# Altium PCB FOC_CONTROL_BOARD_v5.PcbDoc (part 1 of 2) (continued)
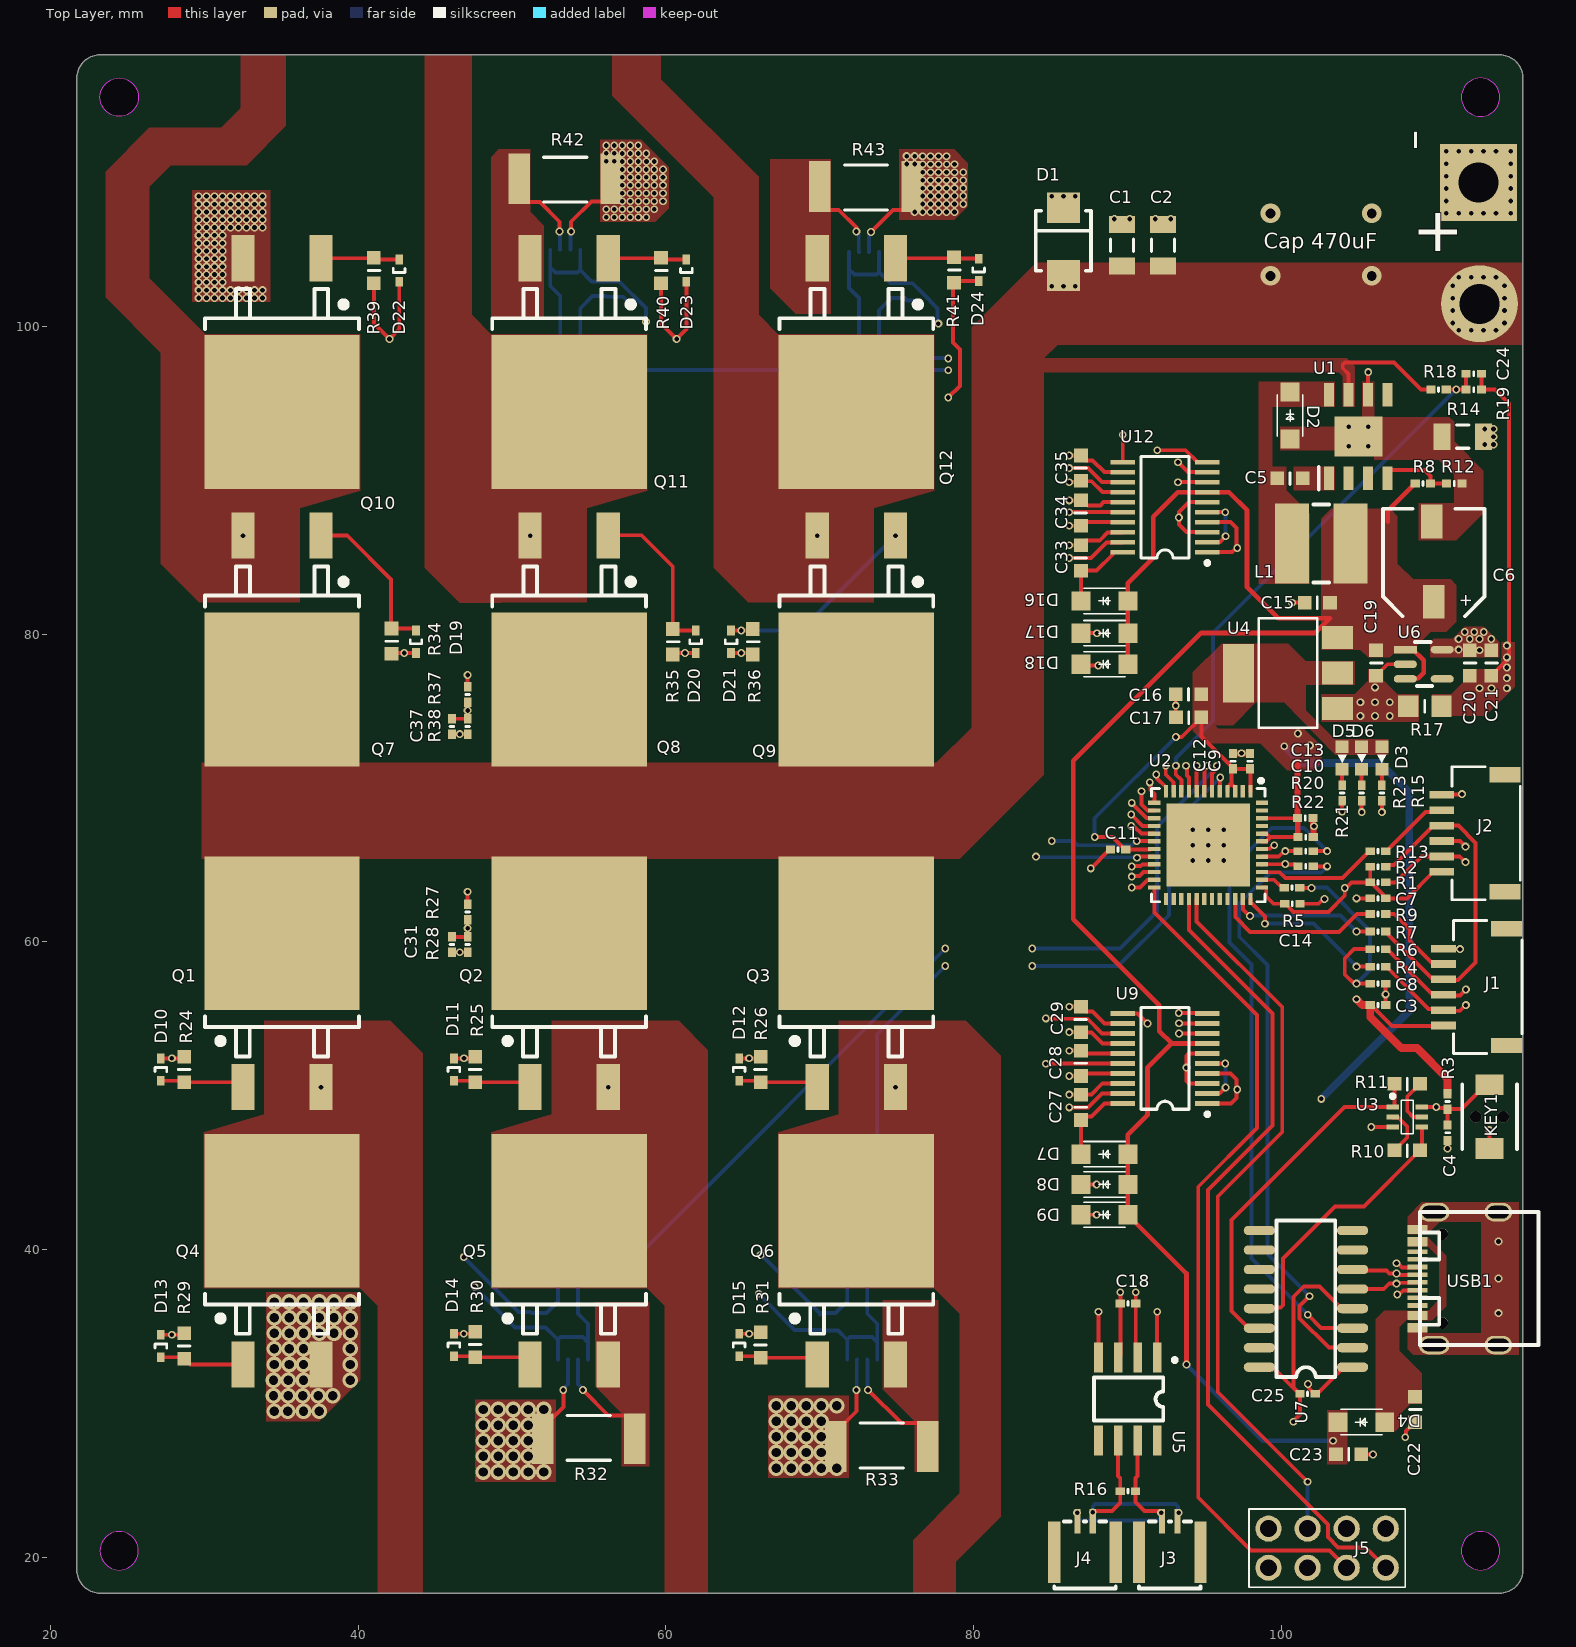
[diagram p0: Top Layer view]
## Components (designator, comment, footprint, x,y, rotation, side; value= is the part's Value field where it differs from the comment)
C1 "1uF" CAP_1206 89.662,105.283 r90 top
C2 "22uF" CAP_1206 92.329,105.283 r90 top
C3 "0.1uF" CAP_0402 106.299,55.88 r180 top
C4 "0.1uF" CAP_0402 110.825,47.583 r90 top
C5 "0.1uF" CAP_0603 100.584,90.125 r0 top
C6 "220uF" CAP-ALU-D8_6.3x6.6x7.7 109.874,84.709 r90 top
C7 "0.1uF" CAP_0402 106.299,62.818 r0 top
C8 "0.1uF" CAP_0402 106.299,57.277 r180 top
C9 "0.1uF" CAP_0402 97.979,71.739 r270 top
C10 "0.1uF" CAP_0402 101.6,66.802 r180 top
C11 "0.1uF" CAP_0402 89.408,65.99 r0 top
C12 "0.1uF" CAP_0402 96.88,71.739 r270 top
C13 "0.1uF" CAP_0402 101.572,68.044 r180 top
C14 "0.1uF" CAP_0402 100.735,62.468 r180 top
C15 "0.1uF" CAP_0603 102.356,82.042 r0 top
C16 "10uF" CAP_0603 93.98,76.092 r0 top
C17 "0.1uF" CAP_0603 93.997,74.586 r0 top
C18 "0.1uF" CAP_0402 90.051,36.487 r180 top
C19 "1uF" CAP_0603 106.174,78.122 r90 top
C20 "1uF" CAP_0603 112.27,78.122 r90 top
C21 "0.1uF" CAP_0603 113.667,78.122 r90 top
C22 "10uF" CAP_0603 108.712,29.593 r90 top
C23 "0.1uF" CAP_0603 104.394,26.67 r180 top
C24 "2.2uF" CAP_0402 112.528,96.925 r180 top
C25 "0.1uF" CAP_0402 101.727,30.607 r0 top
C26 "0.1uF" CAP_0402 70.036,35.27 r270 bottom
C27 "0.1uF" CAP_0603 86.995,49.235 r270 top
C28 "0.1uF" CAP_0603 86.995,52.092 r270 top
C29 "0.1uF" CAP_0603 86.995,54.95 r270 top
C30 "0.1uF" CAP_0402 51.181,35.433 r270 bottom
C31 "2.2uF" CAP_0402 46.101,59.817 r270 top
C32 "0.1uF" CAP_0402 75.565,102.362 r90 bottom
C33 "0.1uF" CAP_0603 86.995,84.947 r270 top
C34 "0.1uF" CAP_0603 86.995,87.868 r270 top
C35 "0.1uF" CAP_0603 86.995,90.789 r270 top
C36 "0.1uF" CAP_0402 56.134,102.432 r90 bottom
C37 "2.2uF" CAP_0402 46.101,73.995 r270 top
D1 "SMBJ24CA" SMB(DO-214) 85.852,105.518 r270 top
D2 "S34" SOD-123FL 100.584,94.214 r270 top
D3 "LED" LED_0603_B 106.553,71.951 r270 top value=0603-RED
D4 "1N5819FL" SOD-123FL 105.219,28.767 r0 top
D5 "LED" LED_0603_B 103.971,71.951 r270 top value=0603-RED
D6 "LED" LED_0603_G 105.241,71.951 r270 top value=0603-RED
D7 "FR107" SOD-123FL 88.519,46.187 r0 top
D8 "FR107" SOD-123FL 88.519,44.218 r0 top
D9 "FR107" SOD-123FL 88.519,42.25 r0 top
D10 "1N4148WT" SOD-523 27.178,51.689 r270 top
D11 "1N4148WT" SOD-523 46.228,51.689 r270 top
D12 "1N4148WT" SOD-523 64.77,51.689 r270 top
D13 "1N4148WT" SOD-523 27.178,33.718 r270 top
D14 "1N4148WT" SOD-523 46.228,33.782 r270 top
D15 "1N4148WT" SOD-523 64.77,33.782 r270 top
D16 "FR107" SOD-123FL 88.519,82.153 r0 top
D17 "FR107" SOD-123FL 88.519,80.058 r0 top
D18 "FR107" SOD-123FL 88.519,78.039 r0 top
D19 "1N4148WT" SOD-523 43.763,79.502 r90 top
D20 "1N4148WT" SOD-523 61.94,79.502 r90 top
D21 "1N4148WT" SOD-523 64.243,79.502 r90 top
D22 "1N4148WT" SOD-523 42.672,103.632 r90 top
D23 "1N4148WT" SOD-523 61.341,103.632 r90 top
D24 "1N4148WT" SOD-523 80.343,103.674 r90 top
J1 "插座 1*6P 卧贴" 1.0T-6P 114.64,53.25 r90 top
J2 "插座 1*6P 卧贴" 1.0T-6P 114.536,63.244 r90 top
J3 "插座 1*2P 卧贴" 1.0T-2P 92.759,20.282 r0 top
J4 "插座 1*2P 卧贴" 1.0T-2P 87.248,20.282 r0 top
J5 "Header2*4" Header2*4 102.997,20.574 r0 top
KEY1 "KEY_3*4" KEY_3*4 113.556,50.706 r270 top
L1 "22uH" SLF0504 102.616,85.89 r0 top
Q1 "CRSS038N08N" TO-263-3 35.052,50.546 r270 top
Q2 "CRSS038N08N" TO-263-3 53.721,50.546 r270 top
Q3 "CRSS038N08N" TO-263-3 72.39,50.546 r270 top
Q4 "CRSS038N08N" TO-263-3 35.052,32.512 r270 top
Q5 "CRSS038N08N" TO-263-3 53.721,32.512 r270 top
Q6 "CRSS038N08N" TO-263-3 72.39,32.512 r270 top
Q7 "CRSS038N08N" TO-263-3 35.052,86.398 r90 top
Q8 "CRSS038N08N" TO-263-3 53.721,86.398 r90 top
Q9 "CRSS038N08N" TO-263-3 72.39,86.398 r90 top
Q10 "CRSS038N08N" TO-263-3 35.052,104.432 r90 top
Q11 "CRSS038N08N" TO-263-3 53.721,104.432 r90 top
Q12 "CRSS038N08N" TO-263-3 72.39,104.432 r90 top
R1 "2.2k" RES-0402 106.299,63.857 r180 top
R2 "2.2k" RES-0402 106.299,64.873 r180 top
R3 "10k" RES-0402 110.825,49.615 r90 top
R4 "56R" RES-0402 106.299,58.374 r0 top
R5 "56R" RES-0402 100.711,63.515 r0 top
R6 "160R" RES-0402 106.299,59.517 r0 top
R7 "56R" RES-0402 106.299,60.66 r0 top
R8 "10k" RES-0402 109.22,89.789 r0 top
R9 "56R" RES-0402 106.299,61.803 r0 top
R10 "10k" RES-0603 108.202,46.444 r0 top
R11 "10k" RES-0603 108.202,50.762 r0 top
R12 "3.3k" RES-0402 111.26,89.789 r0 top
R13 "56R" RES-0402 106.299,65.889 r0 top
R14 "0R" RES-1206 111.81,92.829 r0 top
R15 "2.2k" RES-0402 106.553,69.665 r270 top
R16 "120R" RES-0402 90.043,24.279 r180 top
R17 "0R" RES-0805 109.347,75.311 r0 top
R18 "10k" RES-0402 110.242,95.897 r0 top
R19 "1k" RES-0402 112.528,95.897 r0 top
R20 "470R" RES-0402 101.6,65.889 r0 top
R21 "2.2k" RES-0402 103.971,69.665 r270 top
R22 "470R" RES-0402 101.6,64.897 r0 top
R23 "2.2k" RES-0402 105.241,69.665 r270 top
R24 "2.2R" RES-0603 28.702,51.689 r270 top
R25 "2.2R" RES-0603 47.625,51.689 r270 top
R26 "2.2R" RES-0603 66.167,51.689 r270 top
R27 "10k_thermal" 0402 47.117,61.93 r90 top value=10k
R28 "3.3k" RES-0402 47.117,59.817 r90 top value=1k
R29 "2.2R" RES-0603 28.702,33.718 r270 top
R30 "2.2R" RES-0603 47.625,33.814 r270 top
R31 "2.2R" RES-0603 66.167,33.782 r270 top
R32 "0.0005R" RES-2512 54.991,27.686 r0 top
R33 "0.0005R" RES-2512 74.041,27.178 r0 top
R34 "2.2R" RES-0603 42.173,79.536 r90 top
R35 "2.2R" RES-0603 60.457,79.502 r90 top
R36 "2.2R" RES-0603 65.659,79.502 r90 top
R37 "10k_thermal" 0402 47.117,76.073 r90 top value=10k
R38 "3.3k" RES-0402 47.117,73.995 r90 top value=1k
R39 "2.2R" RES-0603 41.021,103.632 r90 top
R40 "2.2R" RES-0603 59.69,103.632 r90 top
R41 "2.2R" RES-0603 78.74,103.674 r90 top
R42 "0.0005R" RES-2512 53.467,109.601 r180 top
R43 "0.0005R" RES-2512 73.025,109.093 r180 top
U1 "TPS5430DDAR" SO-8 105.029,92.837 r0 top
U2 "ESP32-PICO-D4" QFN-48_7x7x05P 95.266,66.278 r180 top
U3 "BC847BS,115" SOT363 108.204,48.607 r0 top
U4 "AMS1117-3.3" SOT-223 100.457,77.47 r90 top
U5 "SN65HVD232DR" SOIC-8_150mil 102.743,17.564 r180 top
U6 "ME6211C33M5G-N" SOT-23-5 109.277,78.039 r0 top
U7 "CH340C" SOP-16 104.648,32.34 r180 top
U8 "INA240A2" TSSOP-8 72.771,35.687 r180 bottom
U9 "EG2133" TSSOP20 92.456,52.41 r90 top
U10 "INA240A2" TSSOP-8 53.975,35.687 r180 bottom
U11 "INA240A2" TSSOP-8 72.898,101.981 r0 bottom
U12 "EG2133" TSSOP20 92.456,88.249 r90 top
U13 "INA240A2" TSSOP-8 53.467,102.108 r0 bottom
USB1 "USB-C" USB-TYPE-C_16PIN-MALE-TYPE-C-31-M-12 111.506,38.1 r90 top

## Footprints (in the part's own frame and the unit in brackets; to place one, negate y for a bottom-side part, rotate by r counter-clockwise, add the part's x,y. Pads: shape width x height; smd on the part's side, far side on the other; paste and mask are expansions set on the pad)
1.0T-2P [mm]
  rect 0.8x4 smd: 0(-1.994,0.034) 0(2.006,0.034)
  rect 0.4x1.6 smd: 1(-0.492,2.032) 2(0.508,2.032)
  silkscreen extent -1.99,-2.32 2.01,2.03, body extent -2.05,-3.3 2.01,2.83, height 3.1
1.0T-6P [mm]
  rect 1x2 smd: 0(0.002,-0.018) 0(7.602,-0.018)
  rect 0.5x1.6 smd: 1(1.302,4.082) 2(2.302,4.082) 3(3.302,4.082) 4(4.302,4.082) 5(5.302,4.082) 6(6.302,4.082)
  silkscreen extent -0.51,-1.02 8.13,3.43, body extent -0.08,-0.73 7.54,4.18, height 2.55
0402 [mm] "Chip Capacitor, Body 1.0x0.5mm, IPC High Density"
  rect 0.6x0.5 smd: 1(-0.5,0) 2(0.5,0)
  silkscreen extent 0,-0.13 0,0.12, body extent -0.5,-0.25 0.5,0.25, height 0.35
CAP-ALU-D8_6.3x6.6x7.7 [mm]
  rect 2.2x1.4 smd: 1(-2.603,-0.064) 2(2.603,0.064)
  silkscreen extent -3.55,-3.36 3.44,3.24, body extent -3.56,-3.36 3.44,3.24, height 7.7
CAP_0402 [mm] "Chip Inductor, Body 1.0x0.5mm, IPC High Density"
  rect 0.6x0.5 smd: 1(-0.5,0) 2(0.5,0)
  silkscreen extent 0,-0.13 0,0.12, body extent -0.5,-0.25 0.5,0.25, height 0.5
CAP_0603 [mil]
  rect 35x35 smd: 1(-32.5,0) 2(32.5,0)
  silkscreen extent 0,-16 0,14, body extent -53,-18 49,21, height 35
CAP_1206 [mm]
  rect 1.1x1.7 smd: 1(-1.35,0) 2(1.35,0)
  silkscreen extent -0.4,-0.75 0.4,0.75, body extent -1.6,-0.8 1.6,0.8, height 0.95
Header2*4 [mm]
  round 1.699 hole 1.1: 1(-3.81,-1.27) 2(-3.81,1.27) 3(-1.27,-1.27) 4(-1.27,1.27) 5(1.27,-1.27) 6(1.27,1.27) 7(3.81,-1.27) 8(3.81,1.27)
  silkscreen extent -5.08,-2.54 5.08,2.54, body extent -5.08,-2.54 5.08,2.54, height 8.64
KEY_3*4 [mm]
  rect 1.35x1.8 smd: 1(0,0) 2(4.15,0)
  silkscreen extent 0,-1.77 4.19,1.78, body extent 0.03,-1.25 4.03,1.25, height 1.6
LED_0603_B [mm]
  rect 0.8x0.85 smd: 1(-0.73,0) 2(0.73,0)
  silkscreen extent -0.2,-0.3 0.3,0.3, body extent -0.81,-0.4 0.81,0.4, height 0.6
LED_0603_G [mm]
  rect 0.8x0.85 smd: 1(-0.73,0) 2(0.73,0)
  silkscreen extent -0.22,-0.3 0.28,0.3, body extent -0.81,-0.4 0.81,0.4, height 0.6
QFN-48_7x7x05P [mm]
  rect 0.28x0.8 smd: 1(-2.75,-3.5) 2(-2.25,-3.5) 3(-1.75,-3.5) 4(-1.25,-3.5) 5(-0.75,-3.5) 6(-0.25,-3.5) 7(0.25,-3.5) 8(0.75,-3.5) 9(1.25,-3.5) 10(1.75,-3.5) 11(2.25,-3.5) 12(2.75,-3.5) 25(2.75,3.5) 26(2.25,3.5) 27(1.75,3.5) 28(1.25,3.5) 29(0.75,3.5) 30(0.25,3.5) 31(-0.25,3.5) 32(-0.75,3.5) 33(-1.25,3.5) 34(-1.75,3.5) 35(-2.25,3.5) 36(-2.75,3.5)
  rect 0.8x0.28 smd: 4(-3.5,-0.75) 13(3.5,-2.75) 14(3.5,-2.25) 15(3.5,-1.75) 16(3.5,-1.25) 17(3.5,-0.75) 18(3.5,-0.25) 19(3.5,0.25) 20(3.5,0.75) 21(3.5,1.25) 22(3.5,1.75) 23(3.5,2.25) 24(3.5,2.75) 37(-3.5,2.75) 38(-3.5,2.25) 39(-3.5,1.75) 40(-3.5,1.25) 41(-3.5,0.75) 42(-3.5,0.25) 43(-3.5,-0.25) 45(-3.5,-1.25) 46(-3.5,-1.75) 47(-3.5,-2.25) 48(-3.5,-2.75)
  rect 5.4x5.4 smd: 49(0,0)
  silkscreen extent -3.68,-4.32 3.68,3.68, body extent -3.51,-3.56 3.51,3.46, height 0.78
RES-0402 [mm]
  rect 0.6x0.5 smd: 1(-0.5,0) 2(0.5,0)
  silkscreen extent 0,-0.13 0,0.12, body extent -0.5,-0.25 0.5,0.25, height 0.35
RES-0603 [mil]
  rect 35x35 smd: 1(-32.5,0) 2(32.5,0)
  silkscreen extent 0,-16 0,14, body extent -34,-16 29,16, height 18
RES-0805 [mil]
  rect 52x56 smd: 1(-42.5,0) 2(42.5,0)
  silkscreen extent 0,-16 0,14, body extent -37,-25 42,25, height 22
RES-1206 [mm] "Chip Capacitor, Body 3.2x1.6mm, IPC High Density"
  rect 1.1x1.7 smd: 1(-1.35,0) 2(1.35,0)
  silkscreen extent -0.4,-0.75 0.4,0.75, body extent -1.67,-0.86 1.68,0.86, height 0.85
RES-2512 [mm] "Sampling Resistor"
  rect 1.4x3.3 smd: 1(-3,0) 2(3,0)
  silkscreen extent -1.4,-1.4 1.4,1.52, body extent -3.2,-1.6 3.2,1.6, height 0.6
SLF0504 [mm]
  rect 2.2x5.2 smd: 1(-1.905,0) 2(1.905,0)
  silkscreen extent -0.51,-2.54 0.51,2.54, body extent -2.87,-2.6 2.87,2.6, height 4.61
SMB(DO-214) [mm]
  rect 2x2.15 smd: 1(-2.2,0) 2(2.2,0)
  silkscreen extent -2,-1.8 1.9,1.8, body extent -2.7,-1.8 2.7,1.8, height 2.3
SO-8 [mm]
  rect 0.65x1.525 smd: 1(-1.905,-2.712) 2(-0.635,-2.712) 3(0.635,-2.712) 4(1.905,-2.712) 5(1.905,2.712) 6(0.635,2.712) 7(-0.635,2.712) 8(-1.905,2.712)
  rect 3.1x2.6 smd: 9(0,0)
  silkscreen extent -2.58,-3.47 -2.58,-1.95, body extent -2.45,-3.01 2.45,3.01, height 1.57
SOD-123FL [mm]
  rect 1.22x1.25 smd: 1(1.524,0) 2(-1.524,0)
  silkscreen extent -1.35,-0.82 1.35,0.82, body extent -1.96,-0.85 1.79,0.85, height 1.2
SOD-523 [mm]
  rect 0.64x0.5 smd: 1(0.73,0) 2(-0.73,0)
  silkscreen extent -0.13,-0.38 0.13,0.38, body extent -0.8,-0.4 0.8,0.4, height 0.7
SOIC-8_150mil [mm]
  rect 0.568x1.95 smd: 1(10.795,-15.405) 2(12.065,-15.405) 3(13.335,-15.405) 4(14.605,-15.405) 5(14.605,-9.995) 6(13.335,-9.995) 7(12.065,-9.995) 8(10.795,-9.995)
  silkscreen extent 9.53,-15.37 14.9,-11.3, body extent 10.2,-15.55 15.2,-9.54, height 1.75
SOP-16 [mil]
  oval 80x24 smd: 1(0,0) 2(0,-50) 3(0,-100) 4(0,-150) 5(0,-200) 6(0,-250) 7(0,-300) 8(0,-350) 9(238.5,-350) 10(238.5,-300) 11(238.5,-250) 12(238.5,-200) 13(238.5,-150) 14(238.5,-100) 15(238.5,-50) 16(238.5,0)
  silkscreen extent 44,-375 194,25, body extent -3,-372 243,22, height 59
SOT363 [mm] "John"
  rect 0.8x0.3 smd: 1(-0.95,0.65) 2(-0.95,0) 3(-0.95,-0.65) 4(0.95,-0.65) 5(0.95,0) 6(0.95,0.65)
  silkscreen extent -1.07,-1.1 0.38,1.47, body extent -0.67,-1.1 0.67,1.1, height 1
SOT-23-5 [mm]
  rect 1.5x0.5 smd: 1(-1.2,0.95)
  oval 1.5x0.5 smd: 2(-1.2,0) 3(-1.2,-0.95) 4(1.2,-0.95) 5(1.2,0.95)
  silkscreen extent -0.57,-1.42 0.53,1.43, body extent -1.4,-1.45 1.4,1.45, height 1.2
SOT-223 [mil]
  rect 59x79 smd: 1(-90.55,-126.77) 2(0,-126.77) 3(90.55,-126.77)
  rect 150x79 smd: 2(-0.67,126.77)
  silkscreen extent -140,-75 140,75, body extent -133,-150 122,126, height 67
TO-263-3 [mm]
  rect 3x1.5 smd: 1(0,-2.54) 3(0,2.54)
  rect 10x10.1 smd: 2(-10,0)
  silkscreen extent -4.6,-5 -2,5, body extent -13.52,-5.08 0.48,5.08, height 4.65
TSSOP20 [mm] "Shrink Small Outline; 20 Leads; Body Width 4.4 mm; Pitch 0.65 mm"
  rect 0.3x1.6 smd: 1(-2.925,-2.75) 2(-2.275,-2.75) 3(-1.625,-2.75) 4(-0.975,-2.75) 5(-0.325,-2.75) 6(0.325,-2.75) 7(0.975,-2.75) 8(1.625,-2.75) 9(2.275,-2.75) 10(2.925,-2.75) 11(2.925,2.75) 12(2.275,2.75) 13(1.625,2.75) 14(0.975,2.75) 15(0.325,2.75) 16(-0.325,2.75) 17(-0.975,2.75) 18(-1.625,2.75) 19(-2.275,2.75) 20(-2.925,2.75)
  silkscreen extent -3.75,-2.87 3.3,1.55, body extent -3.18,-3.01 3.32,3.27, height 1.1
TSSOP-8 [mm]
  oval 0.4x1.5 smd mask+0.051: 1(-0.975,-2.85) 2(-0.325,-2.85) 3(0.325,-2.85) 4(0.975,-2.85) 5(0.975,2.85) 6(0.325,2.85) 7(-0.325,2.85) 8(-0.975,2.85)
  silkscreen extent -1.85,-3.35 1.4,1.8, body extent -1.5,-3.11 1.5,3.17, height 1.09
USB-TYPE-C_16PIN-MALE-TYPE-C-31-M-12 [mm]
  oval 1.2x1.8 hole 0.8 slot 1.4 at 90 deg: 0(-4.32,-2.624) 0(4.32,-2.624)
  oval 1.2x2 hole 0.8 slot 1.6 at 90 deg: 0(-4.32,1.556) 0(4.32,1.556)
  rect 0.3x1.3 smd: A1(-3.35,2.623) A4(-2.55,2.623) A5(-1.25,2.623) A6(-0.25,2.623) A7(0.25,2.623) A8(1.25,2.624) A9(2.55,2.623) A12(3.35,2.623) B1(3.05,2.623) B4(2.25,2.623) B5(1.75,2.623) B6(0.75,2.623) B7(-0.75,2.623) B8(-1.75,2.624) B9(-2.25,2.623) B12(-3.05,2.623)
  round 0.75 hole 0.75 unplated: ""(-2.89,1.026) ""(2.89,1.026)
  silkscreen extent -4.32,-5.23 4.32,2.47, body extent -4.47,-5.23 4.47,2.66, height 3.2

## Part data
C1 C2 C3 C4 C5 C7 C8 C9 C10 C11 C12 C13 C14 C15 C16 C17 C18 C19 C20 C21 C22 C23 C24 C25 C26 C27 C28 C29 C30 C31 C32 C33 C34 C35 C36 C37: library part Cap, "Capacitor", Voltage=5V, Accuracy=1%, LatestRevisionDate=17-Jul-2002, Published=8-Jun-2000, Publisher="Altium Limited"
C6: library part "Cap Pol", "Polarized Capacitor (Radial)", Accuracy=1%, LatestRevisionDate=17-Jul-2002, Published=8-Jun-2000, Publisher=JonesLee
D1: library part Diode_Bipolar_TVS
D2 D4 D7 D8 D9 D16 D17 D18: library part Diode_TVS
D3 D5 D6: Package=0603, LatestRevisionDate=08-Jul-2005, LatestRevisionNote="Mech Layer 1 removed.", PackageDescription="LED; 2 Leads", PackageReference=0603, Published=8-Jun-2000, Publisher=JonesLee
D10 D11 D12 D13 D14 D15 D19 D20 D21 D22 D23 D24: library part Diode
J3 J4: "C145954"
J5: "C124386"
KEY1: "C707339"
L1: library part Inductor
Q1 Q2 Q3 Q4 Q5 Q6 Q7 Q8 Q9 Q10 Q11 Q12: library part NMOSFET
R1 R2 R3 R4 R5 R6 R7 R8 R9 R10 R11 R12 R13 R14 R15 R16 R17 R18 R19 R20 R21 R22 R23 R24 R25 R26 R28 R29 R30 R31 R32 R33 R34 R35 R36 R38 R39 R40 R41 R42 R43: library part Res, "Resistor", Voltage=5V, Accuracy=1%, LatestRevisionDate=17-Jul-2002, Published=8-Jun-2000, Publisher=JonesLee
R27 R37: library part Res_thermal
U1: "C9864"
U2: "C193707"
U3: "NPN/NPN general-purpose transistor pair in a very small SOT363 (SC-88) Surface-Mounted Device (SMD) plastic package."
U4: "C347222"
U5: "C30530"
U6: "C82942"
U7: "C84681"
USB1: "C165948"

## Free pads (board coordinates)
  rect 5x5 hole 2.6: 1(112.844,109.347)
  round 5 hole 2.6: 2(112.903,101.473)

## Via types
v1: diameter 0.508, hole 0.305, Top Layer to Bottom Layer, tented both sides, 449 vias
v2: diameter 1.016, hole 0.61, Top Layer to Bottom Layer, tented both sides, 83 vias
v3: diameter 0.61, hole 0.305, Top Layer to Bottom Layer, tented both sides, 9 vias
v4: diameter 1.27, hole 0.635, Top Layer to Bottom Layer, 4 vias
v5: diameter 0.75, hole 0.75, Top Layer to Bottom Layer, tented both sides, 2 vias

## Nets (pads, with @x,y where several pads share a name; then routed paths per layer and width w, separated by ;. In a path a pad name is that pad's centre, name@x,y a point inside that pad or via, vN(x,y) a via of type N, cw(c..) or ccw(c..) an arc to the next point about the centre after c; other vN are vias at no path point)
+5: C6.1 C15.2 C19.2 C23.2 D4.2 D7.1 D8.1 D9.1 D16.1 D17.1 D18.1 L1.2 R8.1 U4.3 U6.1 U6.3 U9.7 U12.7 | length 115
  Top Layer w0.305: D18.1@90.043,77.978 D17.1@90.043,80.058 D16.1@90.043,82.153 90.043,83.312 91.694,84.963 91.694,87.624 93.294,89.224 U12.7@95.206,89.224 96.617,89.224 97.79,88.051 97.79,83.058 99.822,81.026 103.182,81.026 102.229,80.073 94.805,80.073 86.487,71.755 86.487,61.468 92.075,55.88 92.075,54.192 92.882,53.385 ; v1(93.853,32.512) 93.853,38.425 90.043,42.235 D9.1@90.043,42.25 D8.1@90.043,44.218 D7.1@90.043,46.187 90.043,47.457 91.313,48.727 91.313,51.816 92.882,53.385 ; U9.7@95.206,53.385 92.882,53.385 ; 106.934,87.312 106.934,88.003 108.572,89.641 108.572,89.691 108.67,89.789 R8.1@108.72,89.789 ; U6.3@108.077,77.089 108.114,77.126 108.925,77.126 109.274,77.475 109.274,78.292 108.577,78.989 U6.1@108.077,78.989
  Bottom Layer w0.305: v1(93.853,32.512) 98.806,27.559 v1@103.562,27.559
  other v1: 103.378,27.559
AGND: C20.1 C21.1 C24.1 C26.2 C30.2 C31.2 C32.2 C36.2 C37.2 R17.2 R19.2 R28.1 R38.1 U8.1 U8.4 U8.7 U10.1 U10.4 U10.7 U11.1 U11.4 U11.7 U13.1 U13.4 U13.7 | length 101
  Top Layer w0.254: C31.2@46.101,59.317 v1(46.609,59.317) R28.1@47.117,59.317 ; C37.2@46.101,73.495 v1(46.609,73.495) R38.1@47.117,73.495 ; R19.2@113.028,95.897 113.907,95.897 114.808,94.996 114.808,78.437 C21.1@113.667,77.296 ; R19.2@113.028,95.897 C24.1@113.028,96.925
  VCC w0.254: v1(46.609,59.317) 46.609,60.627 46.584,60.653 46.584,67.002 46.609,67.028 v1(46.609,73.495)
  Bottom Layer w0.254: v1(47.561,37.565) 50.194,34.933 C30.2@51.181,34.933 52.189,34.933 53,34.122 ; U13.1@52.492,104.958 52.492,103.845 ; U10.4@53,32.837 53,34.122 ; U13.7@53.142,99.258 53.142,101.981 52.492,102.631 52.492,103.845 ; U10.7@54.3,38.537 54.3,35.814 54.95,35.164 54.95,33.95 ; U13.4@54.442,104.958 54.442,103.673 ; U10.1@54.95,32.837 54.95,33.95 ; v1(58.721,100.308) 58.721,101.186 56.975,102.932 C36.2@56.134,102.932 55.183,102.932 54.442,103.673 ; v1(66.04,37.112) 68.382,34.77 C26.2@70.036,34.77 ; C26.2@70.168,34.72 71.198,34.72 71.796,34.122 ; U8.4@71.796,32.837 71.796,34.122 ; U11.1@71.923,104.831 71.923,103.718 ; U11.7@72.573,99.131 72.573,101.854 71.923,102.504 71.923,103.718 ; U8.7@73.096,38.537 73.096,35.814 73.746,35.164 73.746,33.95 ; U8.1@73.746,32.837 73.746,33.95 ; U11.4@73.873,104.831 73.873,103.546 ; C32.2@75.565,102.805 74.614,102.805 73.873,103.546 ; C32.2@75.565,102.862 75.565,102.812 75.572,102.805 76.047,102.805 76.681,102.171 77.675,101.177 77.675,100.23 v1(77.724,100.181) ; 52.492,103.845 52.832,103.505 54.274,103.505 54.442,103.673 ; 53,34.122 53.168,34.29 54.61,34.29 54.95,33.95 ; 71.796,34.122 71.964,34.29 73.406,34.29 73.746,33.95 ; 71.923,103.718 72.263,103.378 73.705,103.378 73.873,103.546
  other v1: 112.903,76.481 113.677,76.481 114.681,76.481 114.681,77.137 114.681,77.827 114.681,78.486 114.681,79.248
AVCC: C20.2 C21.2 C26.1 C30.1 C32.1 C36.1 R27.2 R37.2 U6.5 U8.5 U8.6 U10.5 U10.6 U11.5 U11.6 U13.5 U13.6 | length 73.1
  Top Layer w0.254: R27.2@47.117,62.43 v1(47.117,63.246) ; R37.2@47.117,76.573 v1(47.117,77.343)
  VCC w0.254: 22.86,77.47 22.987,77.343 v1(47.117,77.343) 46.355,76.581 46.355,74.591 47.142,73.804 47.142,63.271 v1(47.117,63.246)
  Bottom Layer w0.254: v1(46.863,39.497) 50.427,35.933 C30.1@51.181,35.933 ; C30.1@51.308,35.863 52.246,35.863 53,36.617 U10.5@53,38.537 U10.6@53.65,38.537 ; U13.6@53.792,99.258 U13.5@54.442,99.258 54.442,101.178 55.245,101.981 56.085,101.981 C36.1@56.134,101.932 57.221,101.932 v1(57.721,101.432) ; v1(66.167,39.624) 66.232,39.624 70.036,35.82 C26.1@70.036,35.77 ; C26.1@70.104,35.863 71.042,35.863 71.796,36.617 U8.5@71.796,38.537 U8.6@72.446,38.537 ; U11.6@73.223,99.131 U11.5@73.873,99.131 73.873,101.051 74.676,101.854 75.516,101.854 C32.1@75.565,101.805 ; C32.1@75.565,101.862 75.565,101.812 75.688,101.689 76.064,101.689 76.321,101.432 v1(76.39,101.432)
  other v1: 112.903,78.947 111.545,78.989 111.545,79.683 112.27,79.683 112.903,79.683 113.667,79.683 111.938,80.137 112.559,80.137 113.181,80.137
CAN_D: U2.22 U5.1 | length 42.7
  Top Layer w0.254: v1(90.288,64.23) 90.333,64.276 90.807,64.276 91.06,64.528 U2.22@91.766,64.528 ; U5.1@91.948,32.969 v1(91.948,35.941)
  VCC w0.254: v1(90.288,64.23) 89.249,64.23 88.646,63.627 88.646,62.071 91.616,59.101 94.136,59.101 96.774,56.463 96.774,54.737 98.806,52.705 98.806,49.911 91.948,43.053 v1(91.948,35.941)
CAN_H: J3.1 J4.1 R16.1 U5.7 | length 11.7
  Top Layer w0.254: U5.7@90.678,26.924 90.678,25.275 90.543,25.14 R16.1@90.543,24.279 90.543,23.573 91.129,22.987 92.195,22.987 92.202,22.98 v1(92.202,22.882)
  Bottom Layer w0.254: v1(86.741,22.882) 86.772,22.851 86.772,22.522 86.921,22.374 92.022,22.374 92.171,22.522 92.171,22.851 v1(92.202,22.882)
CAN_L: J3.2 J4.2 R16.2 U5.6 | length 12.6
  Top Layer w0.254: v1(87.757,22.907) 87.757,22.914 87.829,22.987 89.007,22.987 89.543,23.523 R16.2@89.543,24.279 89.543,25.14 89.408,25.275 U5.6@89.408,27.559
  Bottom Layer w0.254: v1(87.757,22.907) 87.757,23.289 87.906,23.438 93.148,23.438 93.296,23.289 93.296,22.93 v1(93.345,22.882)
CAN_R: U2.21 U5.4 | length 44.8
  Top Layer w0.254: U5.4@88.138,32.969 v1(88.138,35.941) ; v1@90.291,64.891 90.324,64.923 90.88,64.923 90.985,65.028 U2.21@91.766,65.028
  VCC w0.254: v1(88.138,35.941) 88.138,37.973 91.313,41.148 91.313,43.434 97.702,49.823 97.702,52.793 96.139,54.356 96.139,56.307 93.864,58.582 91.27,58.582 87.884,61.968 87.884,63.881 88.894,64.891 v1(90.288,64.891)
DCBUS: C1.1 C2.1 D1.2 pad.2 Q1.2 Q2.2 Q3.2 Q7.2 Q8.2 Q9.2 R18.1 U1.7 | length 8.6
  Top Layer w0.254: U1.7@104.394,95.549 104.394,96.901 104.013,97.282 104.013,97.514 104.162,97.663 107.341,97.663 109.107,95.897 R18.1@109.742,95.897
  other v1: 111.552,99.745 112.358,99.745 113.164,99.745 113.97,99.745 111.155,100.227 114.521,100.227 111.155,101.033 114.521,101.033 111.155,101.838 114.521,101.838 85.09,102.616 85.852,102.616 86.614,102.616 111.155,102.644 114.521,102.644 111.552,103.201 112.358,103.201 113.164,103.201 113.97,103.201
  other v4: 99.314,103.283 105.899,103.283
DTR: R10.2 U3.4 U7.13 | length 18.1
  Top Layer w0.254: U7.13@98.59,36.15 98.658,36.218 99.972,36.218 100.121,36.367 100.121,39.415 103.505,42.799 105.382,42.799 R10.2@109.027,46.444 109.154,46.571 U3.4@109.154,47.957
EN: C4.2 KEY1.1 R3.1 U2.9 U3.6 | length 39.2
  Top Layer w0.254: v1(93.824,71.439) 93.872,71.39 93.872,70.808 94.003,70.677 94.003,69.791 U2.9@94.016,69.778 ; U3.6@109.154,49.257 109.157,49.254 110.089,49.254 v1(110.092,49.251) 110.141,49.202 110.738,49.202 R3.1@110.825,49.115 ; C4.2@110.825,48.083 R3.1@110.825,49.115 ; KEY1.1@113.556,50.706 113.331,50.706 111.74,49.115 R3.1@110.825,49.115
  VCC w0.254: v1(93.824,71.439) 93.824,69.219 93.091,68.486 93.091,63.246 107.086,49.251 v1(110.092,49.251)
GND: C3.1 C4.1 C7.1 C8.1 C9.1 C10.1 C11.1 C12.1 C13.1 C14.1 C15.1 C16.1 C17.1 C18.1 C19.1 C22.1 C23.1 C25.2 J1.6 J2.6 J5.1 J5.3 KEY1.2 R14.2 R15.2 R17.1 U2.49 U4.1 U5.2 U6.2 U7.1 U9.8 U12.8 USB1.0 USB1.A1 USB1.A12 USB1.B1 USB1.B12 | length 34.2
  Top Layer w0.152: C10.1@102.072,66.83 C10.1@102.1,66.802
  Top Layer w0.254: v1(87.63,64.77) 87.638,64.77 88.858,65.99 C11.1@88.908,65.99 ; v1(90.551,37.211) 90.551,33.096 U5.2@90.678,32.969 ; C16.1@93.154,76.092 v1(93.154,75.347) 93.154,74.603 C17.1@93.171,74.586 ; v1(93.294,89.874) U12.8@95.206,89.874 ; v1(93.364,54.035) U9.8@95.206,54.035 ; v1(100.711,82.042) C15.1@101.531,82.042 ; C14.1@101.235,62.468 102.447,62.468 102.757,62.778 v1(102.825,62.778) ; v1(101.754,31.242) 101.802,31.193 101.802,30.982 102.177,30.607 C25.2@102.227,30.607 ; C25.2@102.354,30.684 102.4,30.73 102.477,30.73 103.869,32.122 103.869,32.176 104.033,32.34 U7.1@104.648,32.34 ; v1(104.906,62.818) C7.1@105.799,62.818 ; C23.1@105.219,26.67 v1(105.98,26.67) ; C19.1@106.174,77.296 106.917,78.039 U6.2@108.077,78.039 ; v1(106.553,68.423) R15.2@106.553,69.165 ; C3.1@106.799,55.88 v1(106.799,56.578) C8.1@106.799,57.277 ; v1(108.076,27.788) 108.125,27.836 108.125,28.18 C22.1@108.712,28.767 ; J1.6@110.454,59.515 110.455,59.516 111.634,59.516 v1(111.635,59.517) ; J2.6@110.454,69.546 110.479,69.571 111.735,69.571 v1(111.76,69.596) ; v1(110.825,46.556) C4.1@110.825,47.083 ; v1(113.538,47.752) 113.538,46.574 KEY1.2@113.556,46.556
  Top Layer w0.381: C12.1@96.821,72.239 96.825,72.243 97.424,72.243 v1(97.428,72.247) 97.432,72.243 97.929,72.243 C9.1@97.933,72.239 ; C10.1@102.072,66.83 102.087,66.83 102.119,66.861 102.119,67.484 v1(102.138,67.502) ; v1@102.072,67.502 C13.1@102.072,68.044
  VCC w1.27: J5.1@99.187,19.304 J5.3@101.727,19.304
  other v1: 114.13,35.854 114.13,38.1 114.13,40.513 105.156,74.676 106.108,74.676 107.061,74.676 105.156,75.565 106.108,75.565 107.061,75.565 106.108,76.537 113.237,92.329 113.81,92.329 113.81,92.829 113.237,93.329 113.81,93.329
  other v3: 94.266,65.278 95.266,65.278 96.266,65.278 94.266,66.278 95.266,66.278 96.266,66.278 94.266,67.278 95.266,67.278 96.266,67.278
IO0: U2.23 U3.3 | length 27.6
  Top Layer w0.254: v1@90.34,63.528 90.831,63.528 91.318,64.015 91.753,64.015 U2.23@91.766,64.028 ; v1(105.867,47.957) U3.3@107.254,47.957
  VCC w0.254: v1(90.288,63.528) 89.69,63.528 89.408,63.246 89.408,62.148 91.868,59.689 94.44,59.689 105.481,48.648 105.481,48.412 105.867,48.026 v1(105.867,47.957)
IO4: J5.5 U2.24 | length 55.5
  Top Layer w0.254: U2.24@91.766,63.528 91.766,61.897 98.425,55.238 98.425,47.879 94.615,44.069 94.615,23.876 98.058,20.433 103.138,20.433 J5.5@104.267,19.304
IO9: J5.7 U2.28 | length 53.3
  Top Layer w0.254: U2.28@94.016,62.778 94.016,60.762 99.441,55.337 99.441,48.055 95.25,43.864 95.25,29.918 103.045,22.123 103.045,21.288 103.713,20.62 105.491,20.62 J5.7@106.807,19.304
IO10: J5.4 U2.29 | length 47.4
  Top Layer w0.254: U2.29@94.516,62.778 94.516,61.313 100.076,55.753 100.076,47.625 95.885,43.434 95.885,30.734 v1(101.727,24.892)
  Bottom Layer w0.254: J5.4@101.727,21.844 v1(101.727,24.892)
IO21: J5.8 U2.42 | length 51.8
  Top Layer w0.254: U2.42@98.766,66.028 98.779,66.041 99.26,66.041 99.488,66.269 v1(99.557,66.269)
  VCC w0.254: v1(99.557,66.269) 99.557,60.541 110.626,49.472 110.626,47.111 106.401,42.886 106.401,34.173 106.807,33.767 J5.8@106.807,21.844
IO35: J5.6 U2.11 | length 58.1
  Top Layer w0.254: v1(92.503,71.439) 92.503,70.87 93.003,70.37 93.003,69.791 U2.11@93.016,69.778
  VCC w0.254: v1(92.503,71.439) 92.503,62.818 106.401,48.92 106.401,46.571 104.354,44.525 104.354,21.931 J5.6@104.267,21.844
M1_HO1: D12.2 R26.1 U9.19 | length 27.4
  Top Layer w0.254: D12.2@64.77,52.419 v1(65.421,52.419) 66.072,52.419 R26.1@66.167,52.514 ; v1(86.233,49.233) 87.451,49.233 88.354,50.135 U9.19@89.706,50.135
  VCC w0.254: v1(65.421,52.419) 68.607,49.233 v1(86.233,49.233)
M1_HO2: D11.2 R25.1 U9.16 | length 45.7
  Top Layer w0.254: D11.2@46.228,52.419 v1(46.879,52.419) 47.53,52.419 R25.1@47.625,52.514 ; v1(84.709,52.07) 84.717,52.078 89.698,52.078 U9.16@89.706,52.085
  VCC w0.254: v1(46.879,52.419) 48.371,53.911 82.867,53.911 v1(84.709,52.07)
M1_HO3: D10.2 R24.1 U9.13 | length 64.9
  Top Layer w0.254: D10.2@27.178,52.419 v1(27.892,52.419) 28.607,52.419 R24.1@28.702,52.514 ; v1(84.709,55.016) 84.734,54.991 87.413,54.991 88.369,54.035 U9.13@89.706,54.035
  VCC w0.254: v1(27.892,52.419) 30.464,54.991 84.684,54.991 v1(84.709,55.016)
M1_IN+_1: Q6.3 R33.2 U8.2 | length 8
  Top Layer w0.254: v1(73.152,30.861) 75.312,28.701 76.468,28.701 77.041,28.128 R33.2@77.041,27.178
  Bottom Layer w0.254: U8.2@73.096,32.837 73.124,32.809 73.124,30.889 v1(73.152,30.861)
M1_IN+_2: Q5.3 R32.2 U10.2 | length 7.4
  Top Layer w0.254: v1(54.61,30.861) 56.262,29.209 57.418,29.209 57.991,28.636 R32.2@57.991,27.686
  Bottom Layer w0.254: U10.2@54.3,32.837 54.3,31.24 54.61,30.93 v1(54.61,30.861)
M1_LO1: D15.2 R31.1 U9.11 | length 43.7
  Top Layer w0.254: D15.2@64.77,34.512 v1(65.421,34.512) 66.072,34.512 R31.1@66.167,34.608 ; U9.11@89.706,55.335 89.718,55.323 90.675,55.323 v1(91.313,54.685)
  VCC w0.254: v1(65.421,34.512) 81.629,34.512 89.408,42.291 89.408,52.78 v1(91.313,54.685)
M1_LO2: D14.2 R30.1 U9.10 | length 65.3
  Top Layer w0.254: D14.2@46.228,34.512 v1(46.863,34.512) 47.498,34.512 R30.1@47.625,34.639 ; v1(93.345,55.372) 93.364,55.353 95.187,55.353 U9.10@95.206,55.335
  VCC w0.254: v1(46.863,34.512) 47.847,33.528 81.661,33.528 90.043,41.91 90.043,52.129 93.286,55.372 v1(93.345,55.372)
M1_LO3: D13.2 R29.1 U9.9 | length 88.2
  Top Layer w0.254: D13.2@27.178,34.449 v1(27.892,34.449) 28.607,34.449 R29.1@28.702,34.544 ; v1(93.364,54.695) 93.369,54.69 95.201,54.69 U9.9@95.206,54.685
  VCC w0.254: v1(27.892,34.449) 31.671,38.227 41.656,38.227 47.244,32.639 81.915,32.639 90.551,41.275 90.551,51.977 93.143,54.568 93.168,54.568 93.295,54.695 v1(93.364,54.695)
M1_PWM1: U2.17 U9.1 U9.4 | length 33
  Top Layer w0.254: v1(90.256,67.52) 90.304,67.471 90.484,67.471 90.927,67.028 U2.17@91.766,67.028 ; U9.1@95.206,49.485 96.754,49.485 97.106,49.837 97.106,50.345 v1(97.155,50.394) 97.106,50.443 97.106,51.047 96.718,51.435 U9.4@95.206,51.435
  VCC w0.254: v1(90.256,67.52) 87.713,67.52 86.741,66.548 86.741,62.23 90.932,58.039 93.599,58.039 95.489,56.149 95.489,53.993 97.155,52.327 v1(97.155,50.394)
M1_PWM2: U2.16 U9.2 U9.5 | length 31.1
  Top Layer w0.254: v1(90.264,68.266) 91.002,67.528 U2.16@91.766,67.528 ; U9.2@95.206,50.135 95.229,50.158 96.034,50.158 v1(96.396,50.52) ; U9.5@95.206,52.085 v1(96.373,52.085)
  VCC w0.254: v1(90.264,68.266) 87.697,68.266 86.233,66.802 86.233,61.849 90.551,57.531 93.348,57.531 94.869,56.01 94.869,53.589 v1(96.373,52.085)
  Bottom Layer w0.254: v1(96.373,52.085) 96.384,52.074 96.384,50.532 v1(96.396,50.52)
M1_PWM3: U2.15 U9.3 U9.6 | length 32.6
  Top Layer w0.254: v1@90.297,69.028 90.297,68.987 91.243,68.041 91.753,68.041 U2.15@91.766,68.028 ; v1(93.843,51.816) 93.843,52.586 93.992,52.735 U9.6@95.206,52.735 ; v1@93.849,51.822 93.849,50.934 93.998,50.785 U9.3@95.206,50.785
  VCC w0.254: v1(90.288,69.028) 90.245,68.985 87.527,68.985 85.725,67.183 85.725,61.468 90.194,56.999 93.089,56.999 94.361,55.727 94.361,52.334 v1(93.843,51.816)
M1_S1: U2.5 U8.8 | length 48.9
  Top Layer w0.254: U2.5@96.016,69.778 96.029,69.791 96.029,70.657 v1(96.049,70.677)
  VCC w0.254: v1(78.168,58.42) v1(83.82,58.42)
  Bottom Layer w0.254: U8.8@73.746,38.537 73.746,53.997 v1(78.168,58.42) ; v1(83.82,58.42) 89.408,58.42 92.71,61.722 92.71,67.338 v1(96.049,70.677)
M1_S2: U2.6 U10.8 | length 59.5
  Top Layer w0.254: U2.6@95.516,69.778 95.516,70.931 v1@95.788,71.204
  VCC w0.254: v1(78.168,59.563) v1(83.82,59.563)
  Bottom Layer w0.254: U10.8@54.95,38.537 54.95,38.893 55.017,38.96 57.566,38.96 v1(78.168,59.563) ; v1(83.82,59.563) 89.535,59.563 91.948,61.976 91.948,67.456 95.71,71.218 95.71,71.243 95.837,71.37 v1(95.837,71.439)
M1_TEMP: C31.1 R27.1 R28.2 U2.18 | length 50.9
  Top Layer w0.254: C31.1@46.101,60.317 R28.2@47.117,60.317 v1(47.117,60.874) R27.1@47.117,61.43 ; v1(90.616,66.548) 90.626,66.538 91.756,66.538 U2.18@91.766,66.528
  VCC w0.254: v1(47.117,60.874) 82.054,60.874 85.09,63.909 v1(85.09,66.548)
  Bottom Layer w0.254: v1(85.09,66.548) 86.492,66.548 86.772,66.269 90.268,66.269 90.547,66.548 v1(90.616,66.548)
M1_VS1: C27.1 Q3.3 Q6.2 U9.18 | length 15.3
  Top Layer w0.254: v1(86.233,50.06) C27.1@86.995,50.06 87.015,50.08 87.672,50.08 88.376,50.785 U9.18@89.706,50.785
  VCC w0.254: v1(74.93,50.546) 75.416,50.06 v1(86.233,50.06)
M1_VS2: C28.1 Q2.3 Q5.2 U9.15 | length 36.1
  Top Layer w0.254: v1(86.233,52.918) C28.1@86.995,52.918 87.178,52.735 U9.15@89.706,52.735
  VCC w0.254: v1(56.261,50.546) 58.801,53.086 82.55,53.086 84.099,51.537 85.446,51.537 86.192,52.283 86.192,52.877 v1(86.233,52.918)
M1_VS3: C29.1 Q1.3 Q4.2 U9.12 | length 54.7
  Top Layer w0.254: v1(86.233,55.775) C29.1@86.995,55.775 87.312,55.458 87.752,55.458 88.525,54.685 U9.12@89.706,54.685
  VCC w0.254: v1(37.592,50.546) 41.529,54.483 84.941,54.483 v1(86.233,55.775)
M2_HO1: D21.2 R36.1 U12.19 | length 29.2
  Top Layer w0.254: D21.2@64.243,78.772 v1(64.903,78.772) 65.564,78.772 R36.1@65.659,78.676 ; v1@86.283,84.949 87.649,84.949 88.651,85.951 89.683,85.951 U12.19@89.706,85.974
  VCC w0.254: v1(64.903,78.772) 71.08,84.949 v1@86.283,84.949
  other v1: 86.233,84.949
M2_HO2: D20.2 R35.1 U12.16 | length 36.8
  Top Layer w0.254: R35.1@60.457,78.676 60.552,78.772 v1(61.246,78.772) D20.2@61.94,78.772 ; v1(86.233,87.924) U12.16@89.706,87.924
  VCC w0.254: v1(61.246,78.772) 61.246,83.979 65.191,87.924 v1(86.233,87.924)
M2_HO3: D19.2 R34.1 U12.13 | length 57.7
  Top Layer w0.254: R34.1@42.173,78.711 42.235,78.772 v1(42.999,78.772) D19.2@43.763,78.772 ; v1(86.233,90.789) 87.454,90.789 88.369,89.874 U12.13@89.706,89.874
  VCC w0.254: v1(42.999,78.772) 42.999,85.671 48.117,90.789 v1(86.233,90.789)
M2_IN+_1: Q12.3 R43.2 U11.2 | length 5.7
  Top Layer w0.254: R43.2@70.025,109.093 70.025,108.143 70.598,107.57 71.246,107.57 72.39,106.426 v1(72.39,106.172)
  Bottom Layer w0.254: v1(72.39,106.172) 72.39,106.103 72.545,105.948 72.545,104.859 U11.2@72.573,104.831
M2_IN+_2: Q11.3 R42.2 U13.2 | length 6.2
  Top Layer w0.254: R42.2@50.467,109.601 50.467,108.651 51.04,108.078 51.815,108.078 53.086,106.807 v1(53.086,106.172)
  Bottom Layer w0.254: v1(53.086,106.172) 53.114,106.144 U13.2@53.114,104.986
M2_LO1: D24.2 R41.1 U12.11 | length 23.8
  Top Layer w0.254: v1(78.359,95.377) 79.121,96.139 79.121,98.494 78.673,98.942 78.673,102.781 78.835,102.944 D24.2@80.343,102.944 ; U12.11@89.706,91.174 v1(89.706,92.964)
  VCC w0.254: v1(78.359,95.377) 80.772,92.964 v1(89.706,92.964)
M2_LO2: D23.2 R40.1 U12.10 | length 45.8
  Top Layer w0.254: R40.1@59.69,102.806 59.69,100.203 v1(60.706,99.187) 61.341,99.822 D23.2@61.341,102.902 ; v1(91.948,91.948) 93.782,91.948 94.556,91.174 U12.10@95.206,91.174
  VCC w0.254: v1(60.706,99.187) 67.335,92.558 88.036,92.558 88.646,91.948 v1(91.948,91.948)
M2_LO3: D22.2 R39.1 U12.9 | length 64.8
  Top Layer w0.254: R39.1@41.021,102.806 41.021,100.203 v1(42.037,99.187) 42.672,99.822 D22.2@42.672,102.902 ; v1(93.294,91.174) 93.944,90.524 U12.9@95.206,90.524
  VCC w0.254: v1(42.037,99.187) 49.073,92.151 87.554,92.151 88.531,91.174 v1(93.294,91.174)
M2_PWM1: U2.12 U12.1 U12.4 | length 26.1
  Top Layer w0.254: v1(91.883,70.87) 91.931,70.821 91.931,70.623 U2.12@92.503,70.051 ; U12.1@95.206,85.324 96.812,85.324 97.086,85.598 v1(97.155,85.598) 97.106,85.647 97.106,86.886 96.718,87.274 U12.4@95.206,87.274
  VCC w0.254: v1(91.883,70.87) 91.883,84.877 92.604,85.598 v1(97.155,85.598)